# KiCad board HW.ACIM-DBG.kicad_pcb
title: PROGRAMMER & DEBUGGER; date: 2024-07-19; rev: 0.1; company: TON DUC THANG UNIVERSITY; note: Schematic Designed by ...; note: PCB Designed by ...; note: Approved by ...
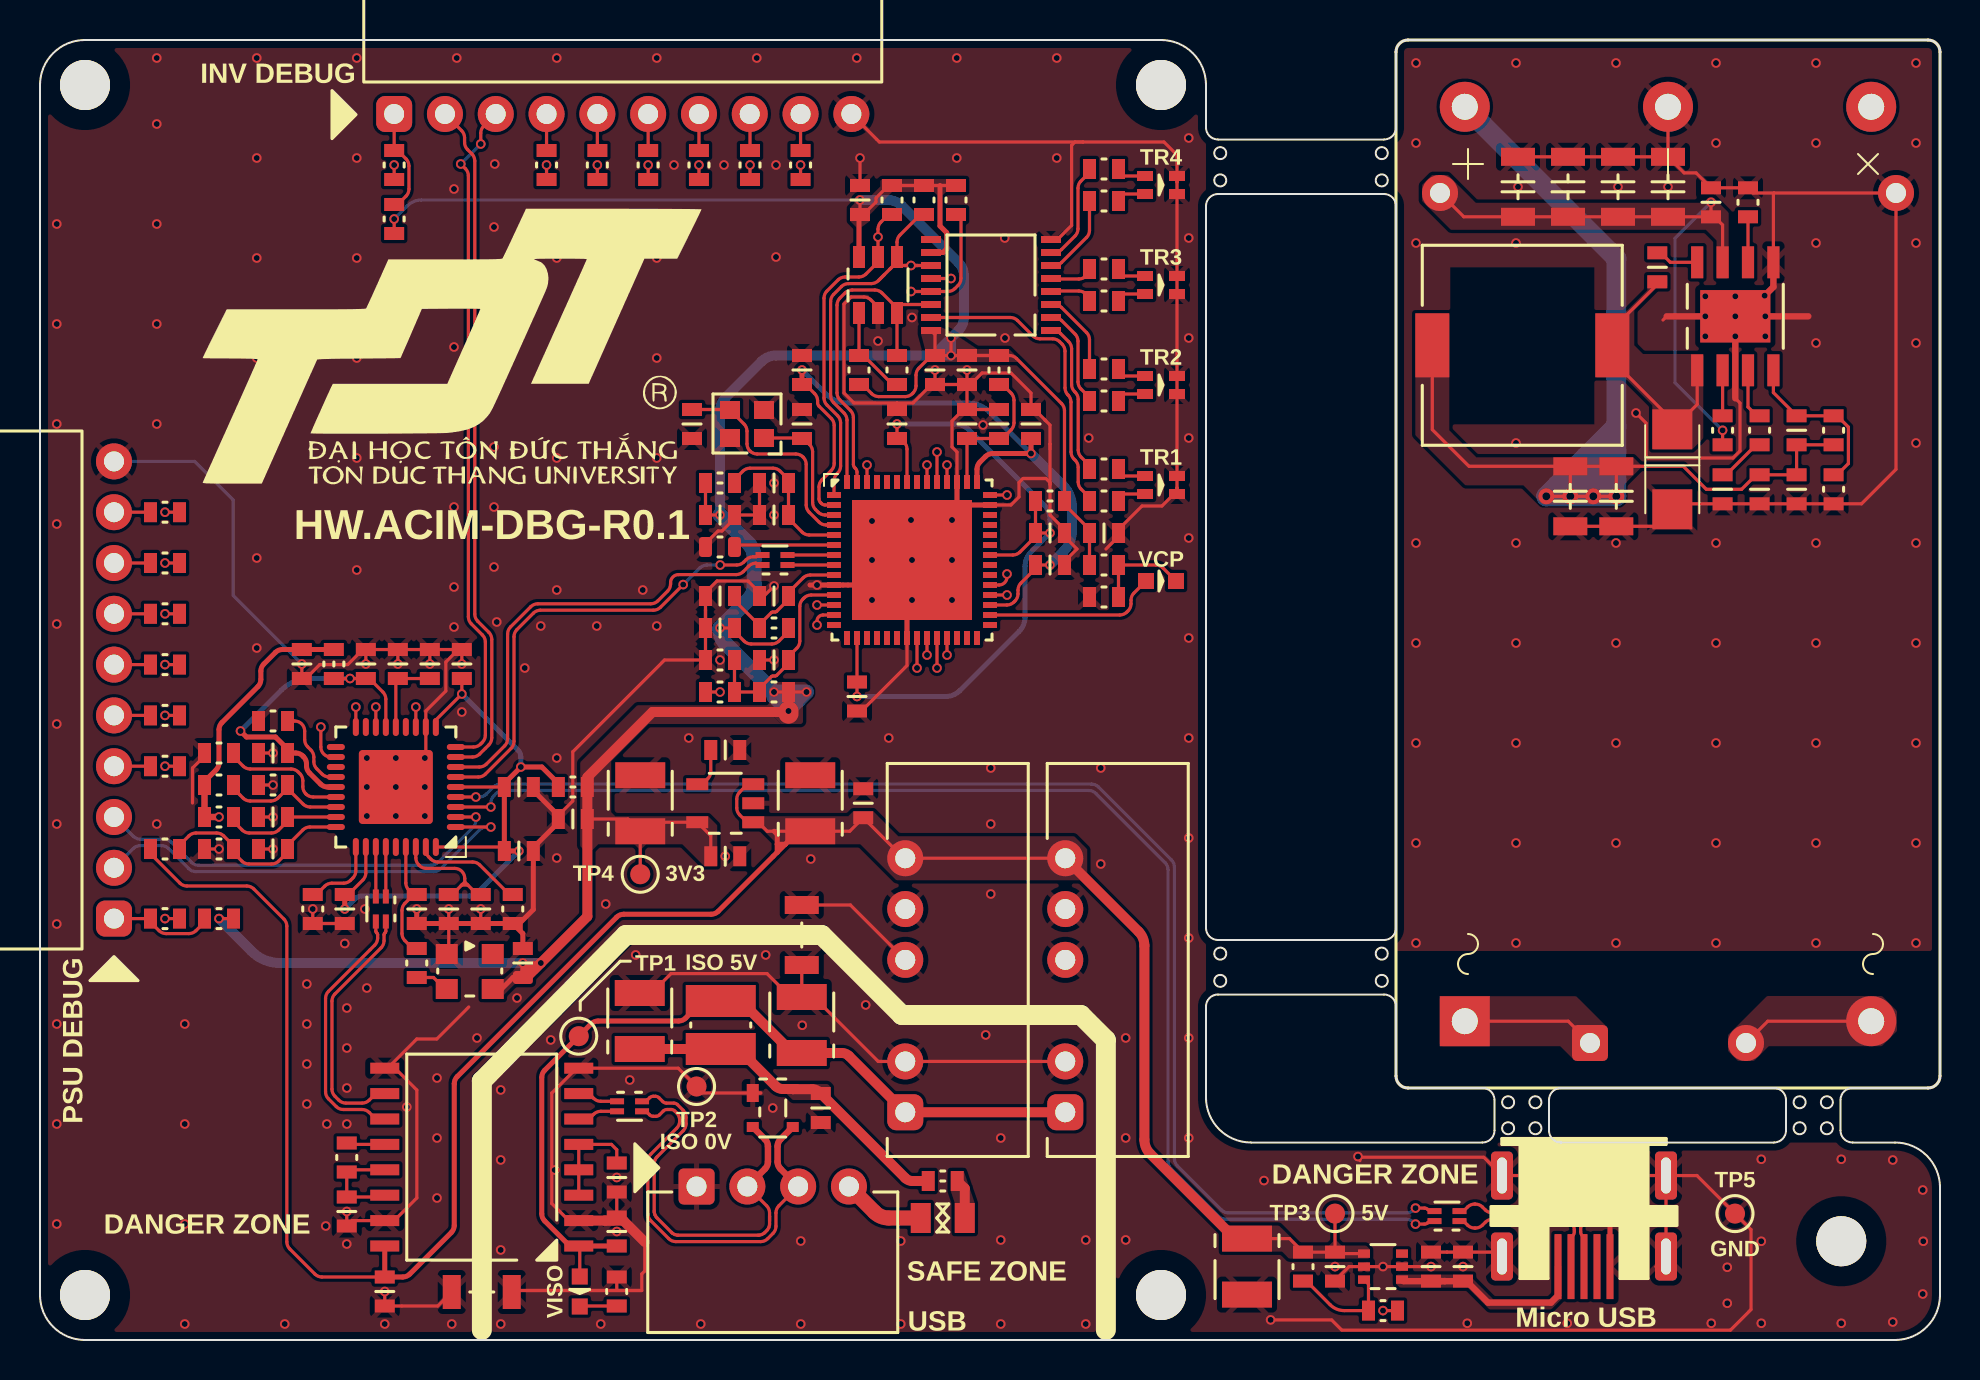
[diagram p0: board, top side]
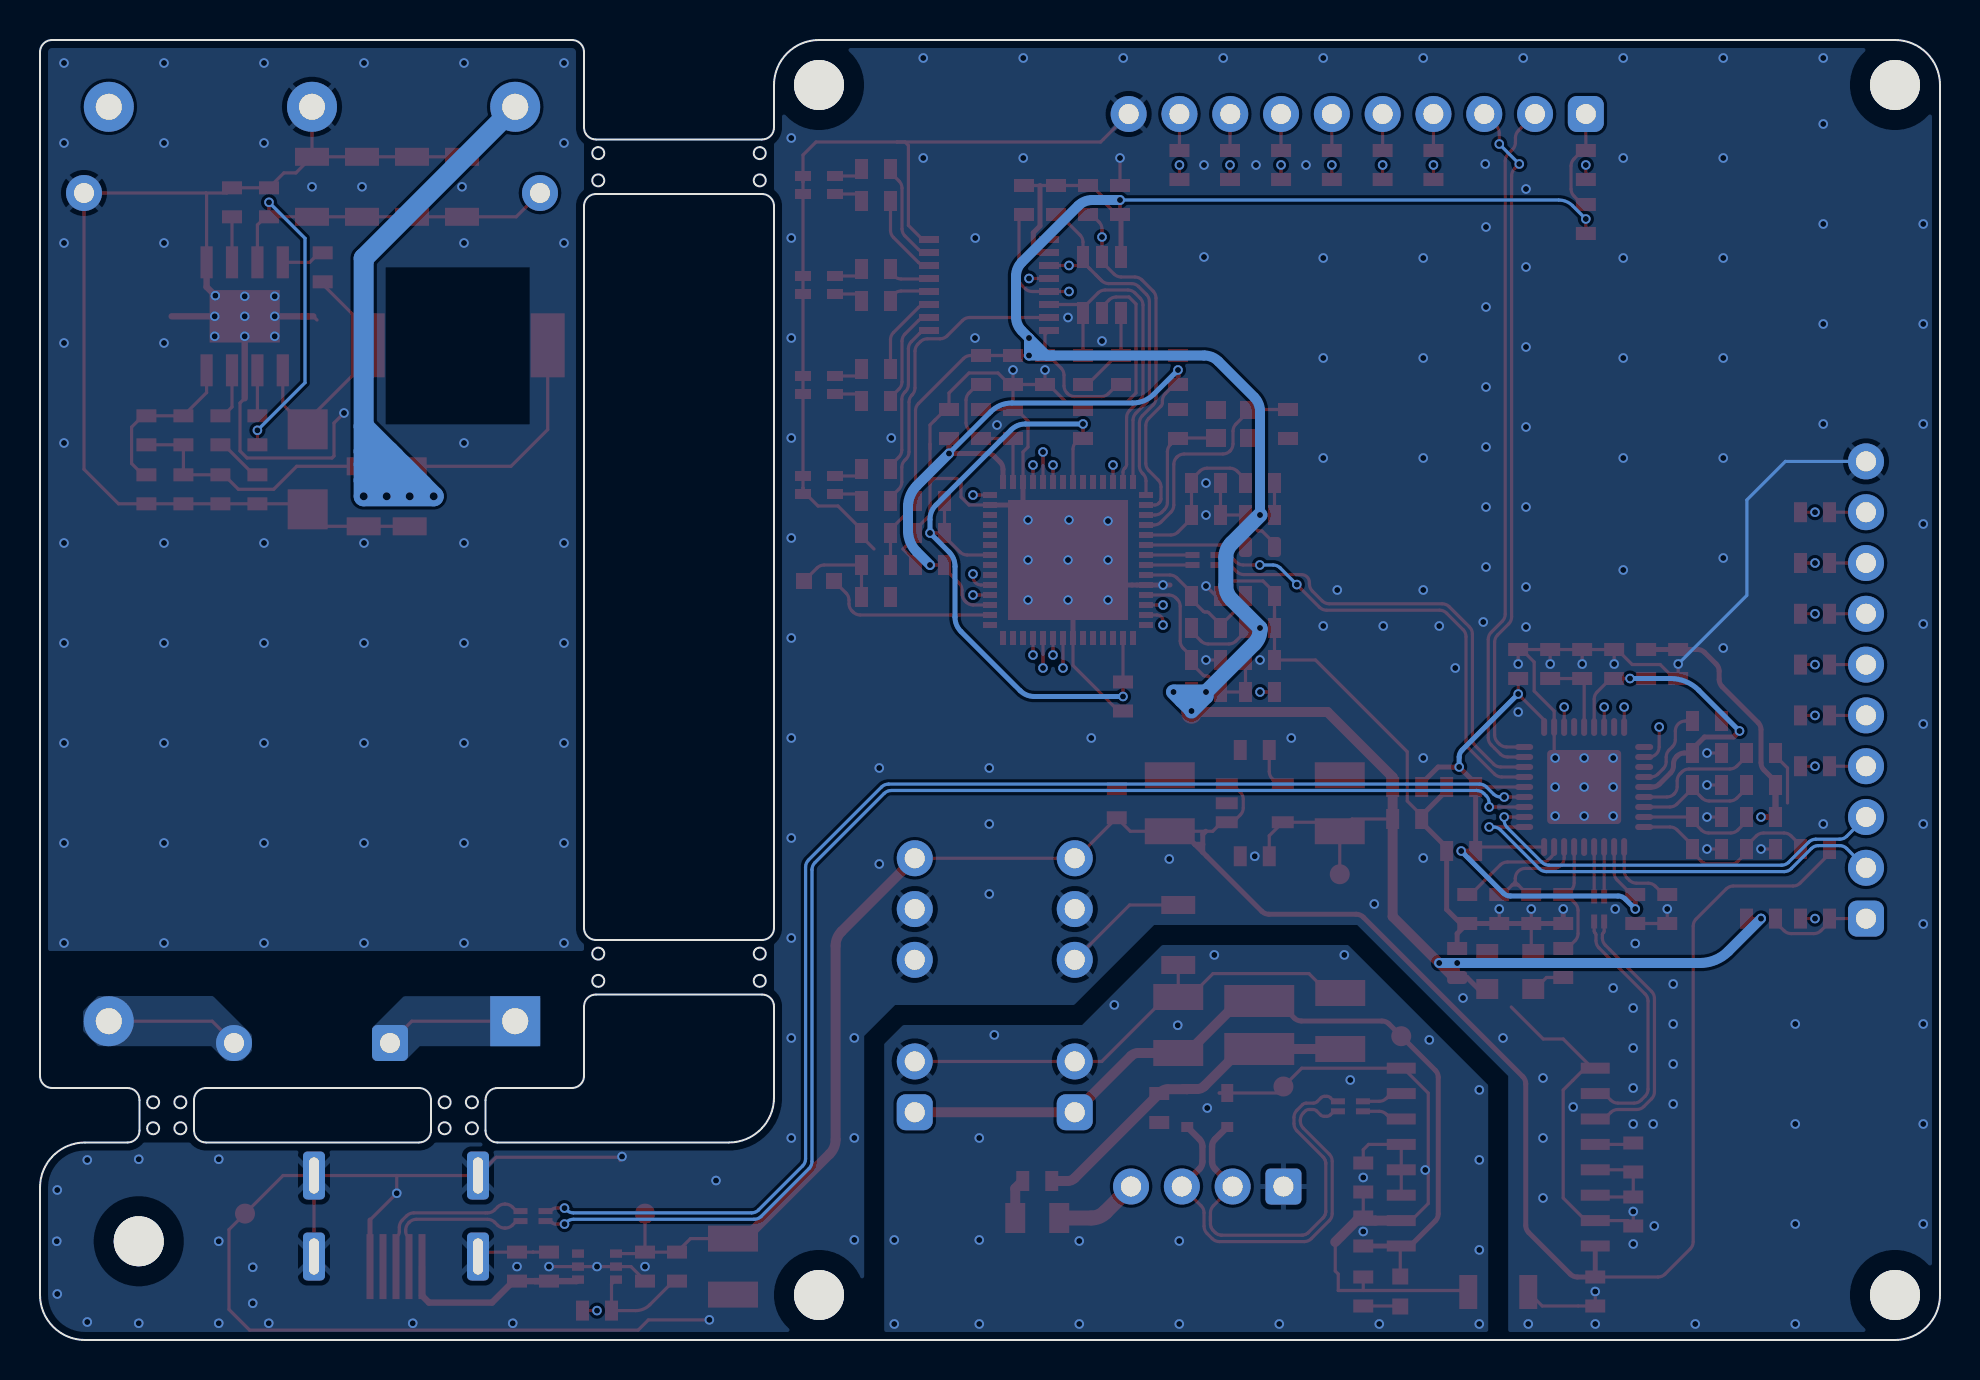
[diagram p1: board, bottom side, seen from below]

Outline 95 x 65 mm; copper layers: Top, In1.Cu, In2.Cu, Bottom. Coordinates in mm from the lower left corner of the outline.
Outline path: circle c59.01,59.34 r0.3 ; circle c59.01,57.98 r0.3 ; circle c59.01,19.32 r0.3 ; circle c59.01,17.96 r0.3 ; circle c67.09,59.34 r0.3 ; circle c67.09,57.98 r0.3 ; circle c67.09,19.32 r0.3 ; circle c67.09,17.96 r0.3 ; circle c73.41,11.89 r0.3 ; circle c73.41,10.59 r0.3 ; circle c74.77,11.89 r0.3 ; circle c74.77,10.59 r0.3 ; circle c87.98,11.89 r0.3 ; circle c87.98,10.59 r0.3 ; circle c89.34,11.89 r0.3 ; circle c89.34,10.59 r0.3 ; 0,62.75 0,2.25 arc(0.66,0.66) 2.25,0 92.75,0 arc(94.34,0.66) 95,2.25 95,7.62 arc(94.34,9.22) 92.75,9.88 90.62,9.88 arc(90.2,10.05) 90.03,10.47 90.03,12 arc(90.2,12.42) 90.62,12.6 94.4,12.6 arc(94.82,12.78) 95,13.2 95,64.4 arc(94.82,64.82) 94.4,65 68.4,65 arc(67.98,64.82) 67.8,64.4 67.8,60.62 arc(67.62,60.2) 67.2,60.02 58.9,60.02 arc(58.48,60.2) 58.3,60.62 58.3,62.75 arc(57.64,64.34) 56.05,65 2.25,65 arc(0.66,64.34) 0,62.75 ; 58.3,56.7 58.3,20.6 arc(58.48,20.18) 58.9,20 67.2,20 arc(67.62,20.18) 67.8,20.6 67.8,56.7 arc(67.62,57.12) 67.2,57.3 58.9,57.3 arc(58.48,57.12) 58.3,56.7 ; 58.3,16.67 58.3,12.12 arc(58.96,10.53) 60.55,9.88 72.12,9.88 arc(72.55,10.05) 72.72,10.47 72.72,12 arc(72.55,12.42) 72.12,12.6 68.4,12.6 arc(67.98,12.78) 67.8,13.2 67.8,16.67 arc(67.62,17.1) 67.2,17.28 58.9,17.28 arc(58.48,17.1) 58.3,16.67 ; 75.45,12 75.45,10.47 arc(75.63,10.05) 76.05,9.88 86.7,9.88 arc(87.12,10.05) 87.3,10.47 87.3,12 arc(87.12,12.42) 86.7,12.6 76.05,12.6 arc(75.63,12.42) 75.45,12
Stack: Top 0.035mm / dielectric 0.1mm FR4 er 4.5 / In1.Cu 0.035mm / dielectric 1.24mm FR4 er 4.5 / In2.Cu 0.035mm / dielectric 0.1mm FR4 er 4.5 / Bottom 0.035mm

## Placement (name value [footprint] x y rotation side)
C1  220uF/6.3V  [CAP1411]  38.09 15.75 90 top
C2  220uF/6.3V  [CAP1411]  60.35 3.67 270 top
C3  100nF  [CAP0603]  39.04 11.6 90 top
C4  100nF  [CAP0603]  41.16 26.84 270 top
C5  100pF/2kV  [CAP1206]  38.09 20.25 90 top
C6  100pF/2kV  [CAP1206]  22.09 2.4 180 top
C7  220uF/6.3V  [CAP1411]  30.01 26.84 90 top
C8  100nF  [CAP0603]  34.26 24.19 180 top
C9  10uF  [CAP0603]  71.15 3.67 270 top
C10  10uF  [CAP0603]  69.55 3.67 270 top
C11  100nF  [CAP0603]  64.75 3.67 90 top
C12  100nF  [CAP0603]  28.84 5.42 270 top
C13  10uF  [CAP0603]  15.34 6.42 90 top
C14  22pF  [CAP0603]  11.65 24.55 0 top
C15  100nF  [CAP0603]  17.24 2.42 90 top
C16  10uF  [CAP0603]  28.84 8.12 90 top
C17  100nF  [CAP0603]  11.65 26.15 0 top
C18  22pF  [CAP0603]  18.84 21.55 90 top  (not fitted)
C19  100nF  [CAP0603#2]  24.14 18.85 270 top
C20  10nF  [CAP0603]  20.44 21.55 90 top
C21  100nF  [CAP0603]  22.04 21.55 90 top
C22  100nF  [CAP0603]  19.49 33.8 270 top
C23  10nF  [CAP0603]  17.89 33.8 270 top
C24  22pF  [CAP0603]  13.09 33.8 90 top
C25  22pF  [CAP0603]  26.64 26.05 0 top
C26  10uF  [CAP0603]  11.65 29.35 0 top
C27  10nF  [CAP0603]  16.29 33.8 270 top
C28  10nF  [CAP0603]  23.94 27.65 180 top
C29  10nF  [CAP0603]  21.09 33.8 270 top
C30  10nF  [CAP0603]  15.24 21.55 90 top
C31  10nF  [CAP0603]  23.94 24.45 180 top
C32  22pF  [CAP0603]  38.1 45.8 270 top
C33  22pF  [CAP0603]  32.6 45.8 90 top
C34  22pF  [CAP0603]  36.7 34 0 top
C35  100nF  [CAP0603]  38.1 48.5 270 top
C36  10uF  [CAP0603]  49.55 45.8 270 top
C37  100nF  [CAP0603]  50.5 38.75 180 top
C38  22pF  [CAP0603]  34 41.25 180 top
C39  100nF  [CAP0603]  36.7 42.85 0 top
C40  10uF  [CAP0603]  36.7 41.25 0 top
C41  22pF  [CAP0603]  34 35.6 0 top
C42  100nF  [CAP0603]  34 37.2 0 top
C43  10uF  [CAP0603]  36.7 37.2 0 top
C44  22pF  [CAP0603]  46.35 48.5 90 top
C45  100nF  [CAP0603]  47.95 45.8 270 top
C46  10uF  [CAP0603]  46.35 45.8 270 top
C47  22pF  [CAP0603]  53.2 40.35 180 top
C48  100nF  [CAP0603]  50.5 40.35 180 top
C49  100nF  [CAP0603]  40.85 32.17 90 top
C50  100nF  [CAP0603]  42.85 45.8 270 top
C51  100nF  [CAP0603]  41 57 270 top
C52  100nF  [CAP0603]  44.75 48.5 90 top
C53  10nF  [CAP0603]  34.26 29.5 180 top
C54  220uF/6.3V  [CAP1411]  38.51 26.84 90 top
C55  220uF/6.3V  [CAP1411]  29.99 15.95 90 top
C56  10uF/35V  [CAP1206]  81.4 57.66 270 top
C57  100nF  [CAP0603]  83.55 56.88 270 top
C58  10uF/35V  [CAP1206]  78.9 57.66 270 top
C59  560pF  [CAP0603]  84.13 42.53 90 top
C60  100nF  [CAP0603]  80.87 53.63 270 top
C61  560pF  [CAP0603]  87.83 45.48 270 top
C62  10uF/35V  [CAP1206]  76.51 42.18 90 top
C63  100nF  [CAP0603]  85.98 42.53 90 top
C64  10uF/35V  [CAP1206]  76.4 57.66 270 top
C65  10uF/35V  [CAP1206]  73.9 57.66 270 top
C66  10uF/35V  [CAP1206]  78.81 42.18 90 top
C67  560pF  [CAP0603]  87.83 42.53 90 top
D1  TVS 5.5V 3-CH  [SOT143B_NEXT]  36.64 11.6 270 top
D2  TR1  [LED0606_4P]  56.05 42.75 180 top
D3  TR2  [LED0606_4P]  56.05 47.75 180 top
D4  TR3  [LED0606_4P]  56.05 52.75 180 top
D5  TR4  [LED0606_4P]  56.05 57.75 180 top
D6  VISO  [LED0603]  26.99 2.42 90 top
D7  VCP  [LED0603]  56.05 37.95 180 top
D8  SS24  [DO-214AC]  81.62 43.53 90 top
F1  500mA  [FUSE0805]  45.14 6.1 0 top
FT1  120R@100MHz  [FT0603]  45.14 7.95 180 top
FT2  2x 120R@100MHz  [IND1210_4P]  17.04 21.55 270 top
FT3  2x 120R@100MHz  [IND1210_4P]  29.48 11.69 0 top
FT4  120R@100MHz  [FT0603]  14.69 33.8 270 top
FT5  120R@100MHz  [FT0603]  26.64 27.65 180 top
FT6  2x 120R@100MHz  [IND1210_4P]  36.75 39 180 top
FT7  120R@100MHz  [FT0603]  34 42.85 0 top
FT8  120R@100MHz  [FT0603]  36.7 35.6 180 top
FT9  120R@100MHz  [FT0603]  47.95 48.5 270 top
FT10  120R@100MHz  [FT0603]  50.5 41.95 180 top
FT11  2x 120R@100MHz  [IND1210_4P]  70.35 6.2 180 top
G***  -  [LOGO]  20.6 49.67 0 top
J1  INV DEBUG  [HDF1x10x2.54_TH_RA]  29.14 61.3 0 top
J2  Micro USB  [ZX60-B-5S(31)]  77.2 6.57 270 top
J3  PSU DEBUG  [HDF1x10x2.54_TH_RA]  3.7 32.5 90 top
J4  USB  [HDM-1x4x2.54-TH-RA]  36.64 4.4 0 top
L1  4.7uH/500mA  [IND3521]  34.04 15.75 180 top
L2  47uH/2.1A  [IND-10x10x3.8]  74.11 49.73 270 top
MD1  DUAL 5V-5V/2W  [B0505S-2WR2-DUAL]  43.26 17.74 90 top
MD3  AC-DC  [HLK-10M]  81.4 36.1 90 top
MD4  AC-DC  [LD10-23BxxR2-RC]  81.4 38.8 90 top
R1  1.1K  [RES0603]  28.84 2.42 90 top
R2  0R  [RES0603]  6.25 21.07 180 top
R3  1.1K  [RES0603]  53.2 37.15 180 top
R4  10K  [RES0603]  15.34 9.12 270 top
R5  10K  [RES0603]  8.95 26.15 0 top
R6  10K  [RES0603]  6.25 24.55 0 top
R7  10K  [RES0603]  8.95 24.55 180 top
R8  0R  [RES0603]  18.84 18.85 270 top
R9  12K/1%  [RES0603]  23.64 21.55 270 top
R10  47K  [RES0603]  11.65 30.95 180 top
R11  47K  [RES0603]  8.95 27.75 180 top
R12  47K  [RES0603]  13.64 21.55 90 top
R13  100K  [RES0603]  8.95 29.35 0 top
R14  100K  [RES0603]  11.65 27.75 0 top
R15  1.1K  [RES0603]  53.2 38.75 0 top  (not fitted)
R16  100K  [RES0603]  34 34 180 top
R17  0R  [RES0603]  6.25 31.23 180 top
R18  0R  [RES0603]  6.25 28.69 180 top
R19  0R  [RES0603]  6.25 36.31 180 top
R20  0R  [RES0603]  6.25 33.77 180 top
R21  0R  [RES0603]  6.25 41.39 180 top
R22  0R  [RES0603]  6.25 38.85 180 top
R23  0R  [RES0603]  27.87 58.75 270 top
R24  0R  [RES0603]  25.33 58.75 270 top
R25  0R  [RES0603]  32.95 58.75 270 top
R26  0R  [RES0603]  30.41 58.75 270 top
R27  0R  [RES0603]  38.03 58.75 270 top
R28  0R  [RES0603]  35.5 58.75 270 top
R29  12K/1%  [RES0603#2]  34 39.65 180 top
R30  10K  [RES0603]  42.6 57 90 top
R31  10K  [RES0603]  40.95 48.5 270 top
R32  10K  [RES0603]  42.85 48.5 270 top
R33  10K  [RES0603]  44.2 57 90 top
R34  10K  [RES0603]  45.8 57 90 top
R35  1.1K  [RES0603]  53.2 56.95 0 top
R36  1.1K  [RES0603]  53.2 58.55 0 top
R37  1.1K  [RES0603]  53.2 51.95 0 top
R38  1.1K  [RES0603]  53.2 53.55 0 top
R39  1.1K  [RES0603]  53.2 46.95 0 top
R40  1.1K  [RES0603]  53.2 48.55 0 top
R41  1.1K  [RES0603]  53.2 41.95 0 top
R42  1.1K  [RES0603]  53.2 43.55 0 top
R43  0R  [RES0603]  67.15 1.47 180 top
R44  0R  [RES0603]  34 32.4 0 top
R45  0R  [RES0603]  17.71 58.75 90 top
R46  0R  [RES0603]  17.71 56.05 270 top  (not fitted)
R47  0R  [RES0603]  36.7 32.4 0 top  (not fitted)
R48  0R  [RES0603]  63.15 3.67 90 top  (not fitted)
R49  0R  [RES0603]  8.95 21.07 0 top  (not fitted)
R50  10K  [RES0603]  84.13 45.48 270 top
R51  20K  [RES0603]  85.4 56.88 270 top
R52  300K  [RES0603]  85.98 45.48 90 top
R53  300K  [RES0603]  89.68 42.53 90 top
R54  300K  [RES0603]  89.68 45.48 270 top
SH1  SCREW HOLDER  [SCREWHOLE-2.5M]  2.25 62.75 0 top
SH2  SCREW HOLDER  [SCREWHOLE-2.5M]  56.05 62.75 0 top
SH3  SCREW HOLDER  [SCREWHOLE-2.5M]  56.05 2.25 0 top
SH4  SCREW HOLDER  [SCREWHOLE-2.5M]  2.25 2.25 0 top
SH5  SCREW HOLDER  [SCREWHOLE-2.5M]  90.06 4.94 0 top
TP1  ISO 5V  [TP1MM]  26.94 15.19 0 top
TP2  ISO 0V  [TP1MM]  32.83 12.67 0 top
TP3  5V  [TP1MM]  64.75 6.32 90 top
TP4  3V3  [TP1MM]  30.01 23.29 0 top
TP5  GND  [TP1MM]  84.75 6.32 0 top
U1  LDO 3.3V/300mA  [SOT-23-5_MCHP]  34.26 26.84 90 top
U2  USB HUB 2.0 4-CH  [SQFN36_6x6_MCHP]  17.79 27.65 180 top
U3  ISO USB 2.0  [SOIC16_7.5_AN]  22.09 9.14 180 top
U4  24MHz (3225)  [CDFN3225-4LD-PL-1]  21.49 18.45 180 top
U5  FT4232H  [VQFN-56_FTDI]  43.6 39 0 top
U6  SPI EEPROM  [SOT-23-6_MCHP]  41.9 52.75 0 top
U7  SHIFT REG 8BIT  [TSSOP16-SOT403-1]  47.55 52.75 180 top
U8  12MHz  [CDFN2520-ABM10]  35.35 45.8 180 top
U9  LOAD SWITCHER  [SOT363]  67.15 3.67 90 top
U10  BUCK 15V/3A  [SOIC8E_3.9_MPS]  84.77 51.18 0 top

## Library data of the parts
C1 C2 C7 C54 C55 = -: Description: CAP TANT 220UF 20% 6.3V 1411; MNP: TLJB227M006R0500; MFT: KAVX; Unit Price: 1.01; Checked: OK
C3 C4 C8 C11 C12 C15 C17 C19 C21 C22 C57 C59-C61 C63 C67 = -: Description: CAP CER 0.1UF 50V X7R 0603; MNP: CL10B104KB8NNNC; Unit Price: 0.0146; MFT: Samsung; Checked: OK
C5 C6 = -: Description: CAP CER 100PF 2000V X7R 1206; MNP: 885342208022; MFT: WE; Unit Price: 0.19; Checked: OK
C9 C10 C13 C16 C26 C36 C40 C43 C46 = -: Description: CAP CER 10UF 6.3V X5R 0603; MNP: CL10A106MQ8NNNC; Unit Price: 0.079; MFT: Samsung; Checked: OK
C14 C18 C24 C25 C32-C34 C38 C41 C44 C47 = -: Description: CAP CER 22PF 50V C0G/NP0 0603; MNP: 0603N220J500CT; Unit Price: 0.012; MFT: Walsin; Checked: OK
C20 C23 = -: Description: CAP CER 10000PF 50V X7R 0603; MNP: CC0603KRX7R9BB103; Unit Price: 0.0146; MFT: YAGEO; Checked: OK
C27-C31 C53 = -: Description: CAP CER 10000PF 50V X7R 0603; MNP: CC0603KRX7R9BB103; Unit Price: 0.012; MFT: YAGEO; Checked: OK
C35 C37 C39 C42 C45 C48-C52 = -: Description: CAP CER 0.1UF 50V X7R 0603; MNP: CL10B104KB8NNNC; Unit Price: 0.012; MFT: Samsung; Checked: OK
C56 C58 C62 C64-C66 = -: Description: CAP CER 10UF 35V X7R 1206; MNP: GRT31CR6YA106ME01L; MFT: Murata; Checked: OK; Link: https://www.thegioiic.com/tu-gom-1206-10uf-50v
D1 = -: Description: TVS DIODE 5.5VWM SOT143B; MNP: PRTR5V0U2X,215; MFT: Nexperia; Checked: OK
D2-D5 = -: Description: LED GREEN/RED DIFFUSED 0606 SMD; MNP: B2612USNG20D000212U1930; MFT: Harvatek; Checked: OK
D6 = -: Description: LED WHITE 0603 SMD; MFT: Harvatek; MNP: B1931TW--20P000314U1930; Checked: OK
D7 = -: Description: LED RED 0603 SMD; MFT: Harvatek; MNP: B1931USD-20D000814U1930; Checked: OK
D8 = -: Description: DIODE SCHOTTKY 40V 2A DO214AA; MFT: Taiwan Semiconductor
F1 = -: Description: PTC RESET FUSE 6V 500MA 0805; MFT: Littelfuse; MNP: 0805L050WR; Checked: OK
FT1 = -: Description: FERRITE BEAD 120 OHM 1A 0603 1LN; Checked: OK; MFT: Pulse; MNP: PE-0603PFB121ST
FT2 FT3 FT6 FT11 = -: Description: CMF 1210 120OHM 300MA 2LN SMD; MNP: MCM1012B121F06BPDG; Unit Price: 0.087; MFT: INPAQ; Checked: OK
FT4 FT5 FT7-FT10 = -: Description: FERRITE BEAD 120 OHM 1A 0603 1LN; Unit Price: 0.058; MNP: PE-0603PFB121ST; MFT: Pulse; Checked: OK
J1 J3 = -: Description: CONN HDR 10POS 0.1 TIN PCB R/A; MFT: Sullins; MNP: PPTC101LGBN-RC; Checked: OK
J2 = -: Description: CONN PLUG USB2.0 MICRO B SMD R/A; MFT: Hirose; MNP: ZX60-B-5S(31); Checked: OK
J4 = -: Description: PIN HEADER R/A 1x4POS 2.54MM; MFT: OEM; MNP: XH2.54-4P-R; Price: 0.013; Stock Link: https://www.thegioiic.com/dau-xh-2-54mm-4-chan-cong-xuyen-lo; Checked: OK
L1 = -: Description: FIXED IND 4.7UH 120MA 400MOHM SM; MNP: MCL2012V1-4R7-R; MFT: Eaton; Unit Price: 0.092; Checked: OK
L2 = -: Description: FIXED IND 47UH 2.1A 128MOHM SMD; MNP: CTCDRH104RF-470; MFT: Central Technologies
MD1 = -: Description: DC-DC ISOLATED 5V-5V 2W 1.5KVDC; MFT: Mornsun; MNP: B0505S-2WR2
MD3 = -: Description: AC-DC 220-24V 10W; MFT: Hi-Link; MNP: HLK-10M24
R1 R3 R15 R35-R42 = -: Description: RES SMD 1.1K OHM 1% 1/10W 0603; MFT: YAGEO; Unit Price: 0.021; MNP: AC0603FR-071K1L; Checked: OK
R2 R8 R17-R28 R43-R49 = -: Description: RES 0 OHM JUMPER 1/10W 0603; Unit Price: 0.015; MNP: RC0603JR-070RL; MFT: YAGEO; Checked: OK
R4-R7 R30-R34 R50-R54 = -: Description: RES 10K OHM 1% 1/10W 0603; Unit Price: 0.019; MNP: RC0603FR-0710KL; MFT: YAGEO; Checked: OK
R9 R29 = -: Description: RES 12K OHM 1% 1/10W 0603; Unit Price: 0.019; MNP: RC0603FR-0712KL; MFT: YAGEO; Checked: OK
R10-R12 = -: Description: RES 47K OHM 1% 1/10W 0603; Unit Price: 0.019; MNP: RC0603FR-0747KL; MFT: YAGEO; Checked: OK
R13 R14 R16 = -: Description: RES 100K OHM 1% 1/10W 0603; Unit Price: 0.019; MNP: RC0603FR-07100KL; MFT: YAGEO; Checked: OK
U1 = -: Description: IC REG LINEAR 3.3V 300MA SOT23-5; MFT: MCHP; MNP: MIC5504-3.3YM5-TR; Checked: OK
U2 = -: Description: IC HUB CTLR 4PORT USB 2.0 HS 36S; MNP: USB2514B/M2; MFT: MCHP; Checked: OK
U3 = -: Description: DGT ISOL 2500VRMS 2CH USB 16SOIC; MNP: ADUM3160BRWZ-RL; MFT: Analog; Checked: OK
U4 = -: Description: MEMS OSC XO 24.0000MHZ CMOS SMD; MNP: DSC1001CE1-024.0000; Unit Price: 1.15; MFT: MCHP; Checked: OK
U5 = -: Description: IC USB TO UART/MPSSE QUAD 56VQFN; MNP: FT4232H-56Q; MFT: FTDI; Checked: OK
U6 = -: Description: IC EEPROM 2KBIT MIC WIRE SOT23-6; MNP: 93LC56AT-I/OT; MFT: MCHP; Checked: OK
U7 = -: Description: IC SHIFT REGISTER 8BIT 16TSSOP; MFT: Nexperia; MNP: 74HC595PW,118; Checked: OK
U8 = -: Description: CRYSTAL 12.0000MHZ 10PF SMD; MNP: ABM10AIG-12.000MHZ-4Z-T3; MFT: Abracon LLC
U9 = -: Description: IC PWR SWITCH P-CHAN 1:1 SC70-6; MNP: MIC94090YC6-TR; MFT: Microchip Technology
U10 = -: Description: IC REG BUCK ADJ 3.5A 8SOIC; MNP: MP4462DN-LF-Z; MFT: Monolithic Power Systems Inc.

## Footprints (pads in the part's own frame, mm; a bottom-side part is the same pattern mirrored in y, then rotated)
B0505S-2WR2-DUAL
  rrect 1.8x1.8 hole 1: 1(-6.35,0) 1(-6.35,-8)
  round 1.8 hole 1: 2(-3.81,0) 2(-3.81,-8) 4(1.27,-8) 4(1.27,0) 5(3.81,0) 5(3.81,-8) 6(6.35,0) 6(6.35,-8)
CAP0603
  rect 0.65x1 smd: 1(-0.725,0) 2(0.725,0)
CAP0603#2
  rect 0.65x1 smd: 1(-0.725,0)
  rrect 0.65x1 smd: 2(0.725,0)
CAP1206
  rect 0.9x1.7 smd: 1(-1.5,0) 2(1.5,0)
CAP1411
  rect 1.3x2.5 smd: +(-1.4,0) -(1.4,0)
CDFN2520-ABM10
  rect 1x0.9 smd: 1(-0.85,0.7) 2(-0.85,-0.7) 3(0.85,-0.7) 4(0.85,0.7)
CDFN3225-4LD-PL-1
  rect 1.1x1 smd: 1(-1.15,-0.85) 2(1.15,-0.85) 3(1.15,0.9) 4(-1.15,0.9)
DO-214AC
  rect 2x2 smd: A(-2,0) K(2,0)
FT0603
  rect 0.65x1 smd: 1(-0.725,0) 2(0.725,0)
FUSE0805
  rect 1x1.5 smd: 1(-1.1,0) 2(1.1,0)
HDF1x10x2.54_TH_RA
  rrect 1.8x1.8 hole 1: 1(-11.43,0)
  round 1.8 hole 1: 2(-8.89,0) 3(-6.35,0) 4(-3.81,0) 5(-1.27,0) 6(1.27,0) 7(3.81,0) 8(6.35,0) 9(8.89,0) 10(11.43,0)
HDM-1x4x2.54-TH-RA
  rrect 1.8x1.8 hole 1: 1(-3.81,3.275)
  round 1.8 hole 1: 2(-1.27,3.275) 3(1.27,3.275) 4(3.81,3.275)
HLK-10M
  rrect 1.8x1.8 hole 1: 1(-21.25,3.9)
  round 1.8 hole 1: 2(-21.25,-3.9) 3(21.25,-11.4) 4(21.25,11.4)
IND1210_4P
  rect 0.7x0.3 smd: 1(-0.625,0.25) 2(0.625,0.25) 3(0.625,-0.25) 4(-0.625,-0.25)
IND3521
  rect 3.5x1.6 smd: 1(0,1.2) 2(0,-1.2)
IND-10x10x3.8
  rect 3.2x1.7 smd: 1(0,4.5) 2(0,-4.5)
LD10-23BxxR2-RC
  rect 2.5x2.5 hole 1.3: 1(-22.86,10.16)
  round 2.5 hole 1.3: 2(-22.86,-10.16) 3(22.86,-10.16) 4(22.86,0) 5(22.86,10.16)
LED0603
  rect 0.8x0.8 smd: A(0.75,0) K(-0.75,0)
LED0606_4P
  rect 0.8x0.5 smd: 1(-0.8,-0.45) 2(0.8,-0.45) 3(0.8,0.45) 4(-0.8,0.45)
RES0603
  rect 0.65x1 smd: 1(-0.725,0) 2(0.725,0)
RES0603#2
  rrect 0.65x1 smd: 1(-0.725,0) 2(0.725,0)
SCREWHOLE-2.5M
  round 2.5 hole 2.5 unplated: (0,0)
SOIC8E_3.9_MPS
  rect 0.61x1.6 smd: 1(-1.905,-2.7) 2(-0.635,-2.7) 3(0.635,-2.7) 4(1.905,-2.7) 5(1.905,2.7) 6(0.635,2.7) 7(-0.635,2.7) 8(-1.905,2.7)
  rect 3.51x2.62 smd: 9(0,0)
SOIC16_7.5_AN
  rect 1.45x0.55 smd: 1(-4.85,4.445) 2(-4.85,3.175) 3(-4.85,1.905) 4(-4.85,0.635) 5(-4.85,-0.635) 6(-4.85,-1.905) 7(-4.85,-3.175) 8(-4.85,-4.445) 9(4.85,-4.445) 10(4.85,-3.175) 11(4.85,-1.905) 12(4.85,-0.635) 13(4.85,0.635) 14(4.85,1.905) 15(4.85,3.175) 16(4.85,4.445)
SOT143B_NEXT
  rect 0.9x0.6 smd: 1(-0.75,-1)
  rect 0.5x0.6 smd: 2(0.95,-1) 3(0.95,1) 4(-0.95,1)
SOT363
  rect 0.42x0.6 smd: 1(-0.65,-0.95) 2(0,-0.95) 3(0.65,-0.95) 4(0.65,0.95) 5(0,0.95) 6(-0.65,0.95)
SOT-23-5_MCHP
  rect 0.6x1.1 smd: 1(-0.95,-1.4) 2(0,-1.4) 3(0.95,-1.4) 4(0.95,1.4) 5(-0.95,1.4)
SOT-23-6_MCHP
  rect 0.6x1.1 smd: 1(-0.95,-1.4) 2(0,-1.4) 3(0.95,-1.4) 4(0.95,1.4) 5(0,1.4) 6(-0.95,1.4)
SQFN36_6x6_MCHP
  oval 0.9x0.3 smd: 1(-3,2) 2(-3,1.5) 3(-3,1) 4(-3,0.5) 5(-3,0) 6(-3,-0.5) 7(-3,-1) 8(-3,-1.5) 9(-3,-2) 19(3,-2) 20(3,-1.5) 21(3,-1) 22(3,-0.5) 23(3,0) 24(3,0.5) 25(3,1) 26(3,1.5) 27(3,2)
  oval 0.3x0.9 smd: 10(-2,-3) 11(-1.5,-3) 12(-1,-3) 13(-0.5,-3) 14(0,-3) 15(0.5,-3) 16(1,-3) 17(1.5,-3) 18(2,-3) 28(2,3) 29(1.5,3) 30(1,3) 31(0.5,3) 32(0,3) 33(-0.5,3) 34(-1,3) 35(-1.5,3) 36(-2,3)
  rrect 3.7x3.7 smd: 37(0,0)
TP1MM
  round 1 smd: 1(0,0)
TSSOP16-SOT403-1
  rect 1x0.35 smd: 1(-3,2.275) 2(-3,1.625) 3(-3,0.975) 4(-3,0.325) 5(-3,-0.325) 6(-3,-0.975) 7(-3,-1.625) 8(-3,-2.275) 9(3,-2.275) 10(3,-1.625) 11(3,-0.975) 12(3,-0.325) 13(3,0.325) 14(3,0.975) 15(3,1.625) 16(3,2.275)
VQFN-56_FTDI
  rect 0.7x0.3 smd: 1(-3.9,3.25) 2(-3.9,2.75) 3(-3.9,2.25) 4(-3.9,1.75) 5(-3.9,1.25) 6(-3.9,0.75) 7(-3.9,0.25) 8(-3.9,-0.25) 9(-3.9,-0.75) 10(-3.9,-1.25) 11(-3.9,-1.75) 12(-3.9,-2.25) 13(-3.9,-2.75) 14(-3.9,-3.25) 29(3.9,-3.25) 30(3.9,-2.75) 31(3.9,-2.25) 32(3.9,-1.75) 33(3.9,-1.25) 34(3.9,-0.75) 35(3.9,-0.25) 36(3.9,0.25) 37(3.9,0.75) 38(3.9,1.25) 39(3.9,1.75) 40(3.9,2.25) 41(3.9,2.75) 42(3.9,3.25)
  rect 0.3x0.7 smd: 15(-3.25,-3.9) 16(-2.75,-3.9) 17(-2.25,-3.9) 18(-1.75,-3.9) 19(-1.25,-3.9) 20(-0.75,-3.9) 21(-0.25,-3.9) 22(0.25,-3.9) 23(0.75,-3.9) 24(1.25,-3.9) 25(1.75,-3.9) 26(2.25,-3.9) 27(2.75,-3.9) 28(3.25,-3.9) 43(3.25,3.9) 44(2.75,3.9) 45(2.25,3.9) 46(1.75,3.9) 47(1.25,3.9) 48(0.75,3.9) 49(0.25,3.9) 50(-0.25,3.9) 51(-0.75,3.9) 52(-1.25,3.9) 53(-1.75,3.9) 54(-2.25,3.9) 55(-2.75,3.9) 56(-3.25,3.9)
  rect 6x6 smd: 57(0,0)
ZX60-B-5S(31)
  rect 3.25x0.35 smd: 1(2.905,-1.3) 2(2.905,-0.65) 3(2.905,0) 4(2.905,0.65) 5(2.905,1.3)
  rrect 2.4x1.1 hole 1.8x0.5: 6(2.4,-4.1) 7(-1.65,-4.1) 8(-1.65,4.1) 9(2.4,4.1)
